# KiCad board Mynd_Main.kicad_pcb (continued)
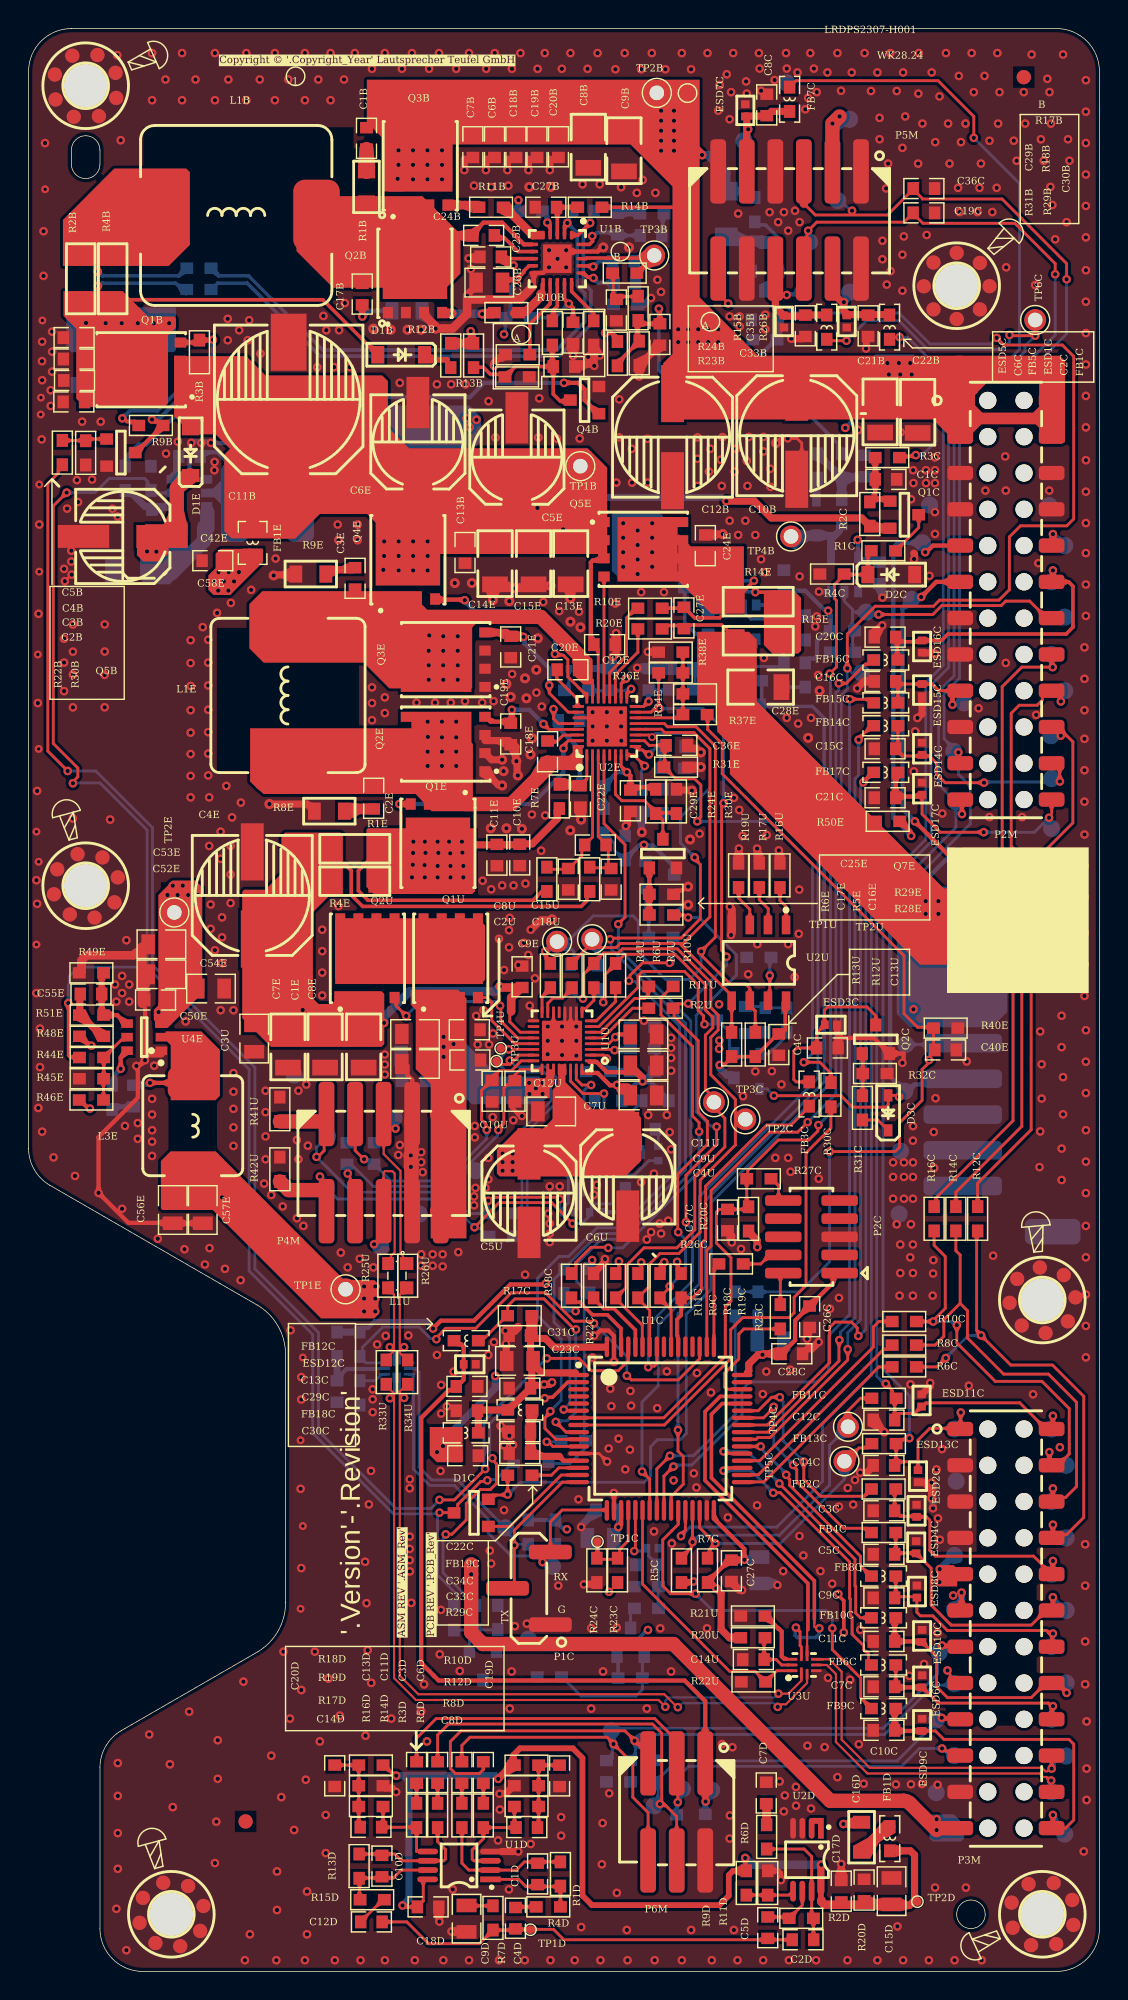
[diagram p0: board, top side]
## Routing (per net, layer and track width the routed paths; a pad name or vN(x,y) marks a point on that pad's centre or on a via; arc(x,y) is an arc through that point) (continued)
NetC19E_2: length 8.2
  Component Side w0.2: 38.5,86.95 38.2,86.95 38.19,86.94 36.45,86.94 v1(36.07,87.32)
  Component Side w0.3: Q2E.4 32.02,87.82 32.36,87.48 33.86,87.48 ; v1(33.85,88.31) 33.85,87.49 33.86,87.48 ; 33.86,87.48 33.97,87.37
  Solder Side w0.3: v1(36.07,87.32) 35.07,88.31 v1(33.85,88.31)
NetC19U_1: length 5.1
  Solder Side w0.2: 24.2,42.17 24.23,42.2 25,42.2
  Solder Side w0.3: 21.8,41.6 21.9,41.7 21.9,41.8 22.27,42.17 24.2,42.17
  Solder Side w0.5: 21.6,41.45 R28U.2
NetC20E_1: length 3.6
  Component Side w0.2: 38.45,88.55 38.45,89.06 36.99,90.52 36.99,91.08 ; 36.72,91.42 C20E.1
NetC21E_1: length 10.1
  Component Side w0.2: v1(36.47,90.03) 36.47,89.48 37.8,88.15 U2E.26
  Component Side w0.5: Q3E.4 33.45,93.73 33.72,93.46 C21E.1 33.79,93.44 34.65,93.44 v1(34.67,93.42)
  Solder Side w0.3: v1(34.67,93.42) 34.72,93.36 34.72,92.96 36.47,91.22 v1(36.47,90.03)
NetC22E_2: length 3.8
  Component Side w0.2: 38.68,83.05 39.1,83.48 U2E.1
  Component Side w0.5: 37.2,83.05 38.67,83.05
NetC23B_1: length 40
  Component Side w0.25: U1B.1 38.48,121.54 v1(39.33,122.39)
  Solder Side w0.25: 39.66,123.22 39.33,122.89 v1(39.33,122.39) 38.86,121.92 38.86,118.19 39.38,117.67 39.38,115.29 37.16,113.07 20.42,113.07 19.6,113.89 15.31,118.18 13.25,118.18 13.1,118.04 13.1,118.01 12.83,117.73 R5B.2
NetC23B_2: length 38.7
  Component Side w0.25: v1(37.73,122.39) 37.53,122.19 U1B.2
  Solder Side w0.25: C23B.2 37.83,122.94 37.83,122.58 37.73,122.49 v1(37.73,122.39) 38.43,121.7 38.43,118 38.95,117.47 38.95,115.47 36.98,113.5 20.6,113.5 20.44,113.66 15.42,118.68 13.33,118.68 13.1,118.91 13.1,118.96 12.83,119.23 R6B.2
NetC23E_1: length 4.2
  Solder Side w1: C23E.1 16.34,71 16.32,70.98 16.32,70.82 16.27,70.77 R2E.2 R3E.2
NetC24B_2: length 3.1
  Component Side w0.25: U1B.7 34.28,120.39 33.33,121.34 32.68,121.34
NetC24E_1: length 11.8
  Component Side w0.25: 44.65,95.15 44.38,95.43 45.83,95.43 C27E.1 46.65,94.75 48.4,94.75 48.88,95.22 48.88,96.03 ; v1(50.8,97.35) 50.8,97.33 49.5,96.03 R14E.2
  Solder Side w0.25: v1(50.8,97.35) 48.75,97.35 R11E.1
  vias: v1(41.64,101.37) v1(41.64,100.36) v1(41.64,99.34) v1(41.64,98.33) v1(42.66,100.87) v1(42.66,99.85) v1(42.66,98.83) v1(42.66,97.82) v1(43.68,101.37) v1(43.68,100.36) v1(43.68,99.34) v1(43.68,98.33)
NetC25B_1: length 11.5
  Component Side w0.25: 33.31,119.89 U1B.8
  Component Side w0.5: v1(33.97,119.42) 33.95,119.44 33.65,119.44 33.37,119.72 33.26,119.72 33.22,119.76 33.22,119.87 ; 31.19,114.04 31.14,114.04 31.02,114.17 31.02,114.74 30.97,114.79 v1(30.97,114.82) ; R12B.1 R13B.1
  Mid Layer 2 w0.5: v1(30.97,114.82) 30.97,116.52 33.85,119.4 33.95,119.4 v1(33.97,119.42)
NetC27B_1: length 3.4
  Component Side w0.25: R14B.2 37.03,123.49 U1B.3
NetC28B_1: length 3.6
  Component Side w0.25: 38.86,118.89 39.14,118.61 39.49,118.61 v1(39.56,118.54)
  Solder Side w0.25: C28B.1 39.91,118.19 v1(39.56,118.54) ; 41.03,117.02 41.03,118.19
NetC29B_1: length 3.3
  Component Side w0.2: 42.64,117.24 41.22,117.24 41.07,117.09 ; 40.95,118.58 40.95,117.26 C29B.1
NetC30B_1: length 26.2
  Component Side w0.25: 42.64,114.21 42.64,115.54 ; v1(44.14,116.39) 44.22,116.32 C30B.1 43.02,115.34 42.79,115.57 42.64,115.57 ; R29B.1 41.24,112.59 R31B.2
  Solder Side w0.25: v1(44.14,116.39) 44.14,112.09 46.72,109.52 54.12,109.52 56.74,106.9 56.74,106.45 R19B.2
NetC30E_1: length 8.9
  Component Side w0.2: v1(36.77,88.36) 36.77,87.69 37.11,87.35 U2E.28
  Solder Side w0.3: R19E.1 38.6,85.55 36.86,87.29 37.09,87.51 36.85,87.76 36.85,88.2 36.77,88.28 v1(36.77,88.36)
NetC31B_1: length 1.6
  Solder Side w0.25: 44.41,121.52 44.41,122.94 R28B.1
NetC31B_2: length 4.9
  Component Side w0.25: 38.86,120.89 39.28,120.89 39.5,121.11 39.5,121.45 v1(39.48,121.48)
  Solder Side w0.25: v1(39.48,121.48) 39.57,121.48 39.81,121.72 41.61,121.72 ; 41.26,121.52 42.81,121.52
NetC31E_2: length 66.7
  Component Side w0.2: 45,32.3 45,33.25 45.85,34.1 45.85,36.05 45.48,36.42 v1(45.48,37.9)
  Solder Side w0.2: v1(45.48,37.9) 45.48,46.03 47.4,47.95 47.4,53.95 55.72,62.27 55.72,64.59
  Solder Side w0.25: 51.35,88.75 51.35,88.73 51.53,88.55 54.9,88.55 55.72,87.73 55.72,64.59 ; 51.35,88.75 C31E.2 ; 51.35,88.75 R13E.1
NetC32E_2: length 76
  Component Side w0.2: 43.5,32.3 43.5,34.46 v1(42.97,34.99)
  Solder Side w0.2: R22E.1 52.65,91.35 50.9,91.35 50.57,91.02 50.57,88.08 55.28,83.38 55.28,62.53 47,54.25 47,48.15 44.1,45.25 44.1,41 42.97,39.87 v1(42.97,34.99) ; R25E.2 53.1,93.2 C32E.2 52.85,93.4 51.6,94.65 50.6,94.65 50.2,95.05 50.2,95.45 U1E.5
  Solder Side w0.25: R22E.1 C32E.2
NetC33B_1: length 10.8
  Component Side w0.25: Q4B.D 37.87,109.92 37.24,109.92 36.75,110.41 C33B.1 34.09,112.34 R23B.1 33.19,111.8 32.35,111.8 31.85,112.29 31.01,112.29 ; 36.68,112.76 R15B.1
NetC33C_1: length 6.7
  Component Side w0.3: 37.18,36.06 37.48,35.75 U1C.13
  Component Side w0.5: FB19C.1 35.21,39.25 35.21,37.83 C34C.1 35.16,36.21 35.31,36.06 37.18,36.06
NetC33E_2: length 3.3
  Component Side w0.2: U2E.16 43.08,88.55 v1(43.42,88.9)
  Solder Side w0.2: v1(43.42,88.9) 43.42,89.62 ; 43.45,89.65 44.95,89.65
NetC34E_2: length 3.8
  Component Side w0.2: v1(42.2,89.78) 41.9,89.48 U2E.17
  Solder Side w0.2: v1(42.2,89.78) 42.08,89.65 39.23,89.65
NetC35B_1: length 6.1
  Component Side w0.25: 38.13,115.54 38.13,116.44 v1(37.83,116.74) 37.53,117.04 U1B.14
  Solder Side w0.25: R25B.2 36.86,115.77 v1(37.83,116.74)
NetC35E_2: length 1.6
  Solder Side w0.2: 46.68,89.68 46.68,91.1 46.58,91.2
NetC36B_1: length 2.3
  Component Side w0.25: 38.86,119.39 39.49,119.39 v1(39.55,119.33)
  Solder Side w0.25: v1(39.55,119.33) 39.57,119.33 39.93,119.69 41.01,119.69
NetC36E_1: length 35.7
  Component Side w0.2: U2E.10 43.14,86.15 43.46,85.83 44.4,85.83 44.55,85.68 44.55,84.28 ; R31E.2 45.32,83.48 46.65,83.48 47.08,83.05 47.08,80.82 46.83,80.57 v1(46.83,80.51) ; v1(54.29,63.64) 55.42,63.64 56.19,62.87 R30C.1
  Solder Side w0.2: v1(54.29,63.64) 54.9,64.25 54.9,77.52 51.91,80.51 v1(46.83,80.51)
NetC37B_2: length 6.1
  Solder Side w0.5: 56.86,104.58 58.5,104.58 C37B.2 ; 56.86,104.58 56.95,104.5 56.95,102.83 56.95,102.83 ; 56.86,104.58 56.8,104.52 56.8,104.73 56.75,104.73 55.45,106.03 55.4,106.03 55.25,106.18 R37B.1 ; 58.22,104.62 58.27,104.66
NetC37E_1: length 4.8
  Component Side w0.2: v1(43.15,84.38) 42.39,85.15 U2E.8
  Solder Side w0.2: 42.93,82.8 44.45,82.8 ; v1(43.15,84.38) 43.15,84.28 42.93,84.05 42.93,82.75
NetC38E_1: length 3.8
  Component Side w0.2: v1(43.45,85.18) 43.31,85.18 42.98,85.51 42.74,85.51 U2E.9
  Solder Side w0.2: v1(43.45,85.18) 44.02,85.75 44.18,85.75 44.23,85.7 44.25,85.7 44.25,84.23 44.3,84.18
NetC39E_1: length 1.4
  Solder Side w0.2: R27E.2 37.53,89.67 37.83,89.97 37.83,90.96
NetC40E_2: length 64.1
  Component Side w0.2: 63.38,64.5 R40E.2 63.31,66.09 62.26,66.09 61.31,67.04 61.31,71.11 48.58,83.83 48.58,85.93 47.56,86.94 47.56,87.94 R37E.1 ; C40E.2 63.17,64.2 63.17,63.85 63.07,63.75 63.07,63.62 62.58,63.13 62.58,60.98 61,59.4 61,57.7 60.69,57.39 v1(56.1,57.39)
  Solder Side w0.2: 63.07,63.64 63.08,63.65 63.08,64.68 63.28,64.89 ; v1(56.1,57.39) 56.1,49.67 54,47.57 R35E.1 R39E.1 ; TP3M.1 63.28,64.89 ; 63.28,64.89 63.38,64.98 P1M.5
  vias: v1(63.07,63.8)
NetC41E_1: length 1.7
  Solder Side w0.5: 10.07,104.62 10.37,104.92 10.37,106.02 10.52,106.17
NetC41E_2: length 7.6
  Solder Side w0.3: 14.08,103.18 14.43,103.18 ; 14.08,103.18 14,103.26 ; 14.08,103.18 L2E.1 ; 14.08,103.18 13.93,103.18 ; 13.92,103.04 14.33,102.63 ; 12.45,103.47 13.87,103.47 13.88,103.48 13.88,105.71 13.24,106.34 11.93,106.34
NetC42E_1: length 14.9
  Component Side w1: 10.38,101.02 10.38,103.81 11.29,104.71 D1E.K ; v2(8.3,99.4) 8.32,99.38 v2(8.95,99.38) 8.57,99.76 8.57,100.42 8.87,100.72 9.32,100.72
  Solder Side w1: C44E.1 12.29,100.14 10.05,97.9 8.87,97.9 8.82,97.95 C43E.1 8.87,98.07 8.87,99.3 ; 12.52,102.17 12.52,101.02 12.38,100.88
NetC49E_1: length 5.8
  Solder Side w0.25: U1E.4 49.05,95.55 48.6,95.1 C49E.1 47.55,95.1 46.9,95.75 46.9,97.55 46,98.45 R11E.2
NetC49E_2: length 6.1
  Solder Side w0.25: R21E.1 45.95,94.4 46.75,93.6 C49E.2 48.8,93.6 49.05,93.35 U1E.3
NetC51E_1: length 8.9
  Component Side w0.3: v1(8.5,62.2) L3E.1 ; U4E.2 10.29,65.4 11.47,64.22 11.47,62.2
  Solder Side w0.3: C51E.1 7.38,62.06 8.28,62.06 8.42,62.2 v1(8.5,62.2)
NetC51E_2: length 1.7
  Solder Side w0.3: R47E.1 6.05,60.53 C51E.2 ; 7.07,60.45 7.17,60.45
NetC55E_1: length 3.4
  Component Side w0.5: 5.15,65.61 5.06,65.61 5.06,65.54 3.8,66.8 ; C55E.1 3.59,68.39 3.59,66.97 R51E.1
NetC55E_2: length 5.1
  Component Side w0.3: U4E.4 6.8,66.35 6.2,66.95 R51E.2 5.12,67.09 5.12,67.13 ; 5.12,67.13 5.26,67.13 ; 5.12,67.13 C55E.2 5.12,69.77 R49E.1
NetD1B_K: length 1.9
  Component Side w0.4: 27.54,113.14 27.86,112.82 29.32,112.82
NetD1U_K: length 2.6
  Solder Side w0.2: 53.2,65.65 53.2,65.6 51.82,64.23 D1U.K
NetD2B_A: length 5.5
  Solder Side w0.5: 53.32,99.98 53.38,99.98 ; 56.47,100.52 56.18,100.23 56.18,99 U2B.4 ; 56.47,100.52 56.77,100.82 56.77,100.87 ; 56.47,100.52 D2B.A 54.33,100.52 53.63,99.82
  Solder Side w1: TP4B.1 53.5,100.35
NetD2B_K: length 1.6
  Solder Side w0.5: D2B.K 55.17,102.97 55.17,104.56 55.17,104.57
NetD3C_K: length 2.1
  Component Side w0.2: D3C.K 59.48,59.6 R31C.1
NetFB1D_1: length 2.7
  Component Side w0.8: R20D.1 60.14,10.14 FB1D.1
NetL1B_1: length 8.8
  Component Side w0.25: 5.89,120.19 5.84,120.14 4.85,120.14 v1(4.85,118.98)
  Solder Side w0.25: v1(4.85,118.98) 4.87,118.98 5.17,118.68 10.52,118.68 10.75,118.91 10.75,118.96 11.03,119.23 R6B.1
NetP2C_2: length 2.2
  Component Side w0.2: R25C.2 52.65,48.86
NetP2C_4: length 3
  Component Side w0.2: 50.1,49.53 51.28,49.53 51.91,50.15 P2C.4
NetP2C_10: length 1.8
  Component Side w0.2: R27C.2 52.05,55.49 52.53,55.01 52.53,53.94
NetQ1B_4: length 13
  Component Side w0.25: R9B.1 7.44,108.49 6.89,108.49 6.66,108.72 v1(6.57,108.72) ; v1(12.92,114.22) 12.89,114.19 R3B.2 11.8,114.02 Q1B.4
  Solder Side w0.25: v1(12.92,114.22) 12.92,113.12 9.03,109.24 7.09,109.24 v1(6.57,108.72)
NetQ1C_D: length 3.2
  Component Side w0.2: Q1C.D 62.34,101.07 R1C.2
NetQ1E_4: length 16.4
  Component Side w0.2: v1(37.47,85.62) 37.54,85.69 37.54,85.89 37.8,86.15 U2E.31 38.67,86.15
  Component Side w0.3: v1(25.97,81.72) Q1E.4
  Solder Side w0.3: v1(25.97,81.72) 35.25,81.72 37.45,83.92 37.45,85.6 v1(37.47,85.62)
NetQ1U_4: length 6
  Component Side w0.2: Q1U.4 32.12,68.17 32.44,67.84 32.44,66.56 34.06,64.94 U1U.21
NetQ2B_4: length 3.7
  Component Side w0.6: v1(31.77,116.02) 32.52,116.02 R10B.2 ; v1(29.66,116.07) 29.02,116.07 Q2B.4
  Solder Side w0.25: v1(29.66,116.07) 29.69,116.04 ; 31.74,116.04 v1(31.77,116.02)
  Solder Side w0.6: 29.69,116.04 31.74,116.04
NetQ2C_G: length 2.9
  Component Side w0.2: Q2C.G 58.43,64.21 R32C.1 58.43,61.33
NetQ2U_4: length 12.6
  Component Side w0.2: Q2U.4 25.75,68.06 25.75,67.59 v1(26.45,66.88) ; U1U.20 34.26,65.34 33.08,66.52 33.08,67.54 v1(33.02,67.6)
  Solder Side w0.2: v1(33.02,67.6) 32.97,67.6 32.67,67.9 27.47,67.9 v1(26.45,66.88)
NetQ3B_4: length 2.2
  Component Side w0.6: Q3B.4 31.51,123.64
NetQ3C_D: length 1.5
  Solder Side w0.2: R21C.2 42.16,25.14 Q3C.D
NetQ3C_G: length 8.8
  Solder Side w0.2: Q3C.G 42.99,21.91 R36C.1 42.99,19.73 42.51,19.26 38.72,19.26 37.37,20.61 R37C.2 37.27,20.61
NetQ3U_G: length 2.9
  Solder Side w0.2: Q3U.G 51.5,67.55 R15U.1 R8U.2
NetQ4B_G: length 38.3
  Component Side w0.3: v1(8.65,108.63) 8.73,108.63 8.89,108.47 9.12,108.47 9.22,108.37 9.22,108.07 ; Q5B.D 7.52,106.32 9.12,107.92 9.12,107.97 9.37,108.22 R9B.2 ; v1(37.5,111.2) 38.49,111.2 38.94,110.74 38.94,109.99 39.97,108.97
  Solder Side w0.3: v1(8.65,108.63) 8.65,108.64 9.1,108.64 11.67,111.2 20.72,111.2 21.72,110.2 30.9,110.2 31.9,111.2 v1(37.5,111.2)
NetQ4C_D: length 3.9
  Solder Side w0.2: R37C.1 35.41,20.4 Q4C.D
NetQ4C_G: length 4.8
  Solder Side w0.2: R39C.2 32.85,23.91 R41C.1 ; R39C.2 31.3,23.9 R40C.2 ; R39C.2 31.32,23.86 30.87,23.42 Q4C.G
NetQ4E_4: length 15.2
  Component Side w0.2: U2E.24 39.1,89.29 37.77,90.63 37.77,91.82 37.44,92.14 36.94,92.14 v1(36.87,92.22)
  Component Side w0.3: v1(30.55,95.98) 30.51,96.03 28.51,96.03 Q4E.4
  Solder Side w0.3: v1(36.87,92.22) 36.87,93.77 35.42,95.22 31.24,95.22 30.55,95.9 v1(30.55,95.98)
NetQ4U_D: length 1.3
  Solder Side w0.2: R36U.1 44.1,58.75 Q4U.D
NetQ5B_G: length 3.2
  Component Side w0.2: 4.02,107.17 4.12,107.27 Q5B.G ; 4.02,107.17 R22B.2 ; 4.02,107.17 R30B.1
NetQ5E_4: length 8.5
  Component Side w0.2: U2E.21 Q5E.4
NetQ5U_D: length 1.4
  Solder Side w0.2: 39.3,58.85 40.4,58.85 40.6,59.05
NetQ6B_D: length 2.9
  Solder Side w0.6: Q6B.D 51.57,121.07 51.47,121.17 51.42,121.17 51.37,121.22 49.07,121.22 R32B.1
NetQ6B_G: length 6.3
  Solder Side w0.25: 52.64,119.14 52.64,121.22 51.61,122.25 51.08,122.25 R34B.1
  Solder Side w0.6: Q7B.D 51.57,117.67 52.64,118.74 52.64,119.14
NetQ6E_D: length 24
  Component Side w0.2: U2E.18 41.5,90.15 v1(41.85,90.5)
  Mid Layer 2 w0.2: v1(43.1,78.86) 44.76,80.52 44.76,89.98 44.23,90.5 v1(41.85,90.5)
  Solder Side w0.2: 40.3,79.7 41.03,78.98 41.03,78.48 41.7,77.8
  Solder Side w0.3: R16E.1 41.77,77.85 42.78,78.86 v1(43.1,78.86) 43.16,78.8 43.73,78.8 45.11,77.42 45.11,76.81 45.18,76.75
NetQ6E_G: length 3.5
  Solder Side w0.2: R18E.2 43.44,73.91 R23E.2 43.23,74.2 Q6E.G
NetQ6U_D: length 2.7
  Solder Side w0.3: Q6U.D 41.8,53.75 41.2,53.15 R40U.2
NetQ7B_G: length 3.7
  Solder Side w0.3: R35B.2 50.8,112.7 52.07,113.97 52.17,113.97 R36B.1
  Solder Side w0.6: R36B.1 52.47,114.27 52.47,115.57 Q7B.G
NetQ7E_D: length 9.6
  Component Side w0.2: 44,81.1 45.43,81.1 ; 44,81.1 43.15,81.95 41.55,81.95 41.1,82.4 U2E.6 ; 44,81.1 43.93,81.1 44.43,80.6 44.43,79.35
NetQ7E_G: length 3.3
  Component Side w0.3: R28E.2 Q7E.G
NetQ7U_D: length 1.3
  Solder Side w0.3: R39U.2 38.2,53.2 38.3,53.3 38.32,53.3 38.5,53.48 38.5,54.36
NetR2U_2: length 4.9
  Component Side w0.2: R2U.2 42.3,67.43 40.71,65.83 40.22,65.34 U1U.5
NetR3U_1: length 3.7
  Component Side w0.2: v1(40.5,63.9) 40.26,64.14 U1U.2
  Solder Side w0.2: v1(40.5,63.9) 40.5,63.25 R3U.1
  Solder Side w0.5: R3U.1 42.25,63
NetR4U_2: length 2
  Component Side w0.2: U1U.16 35.96,68.23 36.54,68.81 R4U.2
NetR6C_1: length 13.8
  Component Side w0.2: R6C.1 59.55,42.32 51.5,34.27 49.97,34.27
NetR6U_2: length 2.8
  Component Side w0.2: U1U.15 36.36,67.77 36.73,68.13 37.39,68.13 38.07,68.81 R6U.2
NetR7U_2: length 2.2
  Component Side w0.2: U1U.9 38.76,67.39 39.01,67.39 39.59,67.97 R7U.2
NetR8C_1: length 14.3
  Component Side w0.2: R8C.1 60.18,43.54 59.88,43.54 51.11,34.77 49.99,34.77 U1C.34
NetR9D_2: length 3.1
  Component Side w0.2: 50.52,5.34 R11D.2 53.27,5.34 U2D.5
NetR9U_2: length 4.4
  Component Side w0.2: U1U.3 41.04,64.54
  Solder Side w0.5: 42.25,66.1 42.25,64.6 42.14,64.49 v1(41.04,64.49)
NetR10B_1: length 3.3
  Component Side w0.3: 36,118.09 36,117.53 35.93,117.46
  Component Side w0.6: 35.93,117.46 35.87,117.4 35.87,117.22 34.82,116.17 34.11,116.17 34.01,116.07
NetR10C_1: length 15.4
  Component Side w0.2: R10C.1 59.55,45.49 59.17,45.11 59.17,43.72 51.2,35.75 U1C.36
NetR10E_1: length 7.2
  Component Side w0.2: U2E.20 40.7,90.93 41.88,92.11 41.88,94.76 42.68,95.55
NetR10U_2: length 3.3
  Component Side w0.2: R10U.2 41.1,68.84 41.1,67.88 39.76,66.54 U1U.8
NetR11B_1: length 3.2
  Component Side w0.6: 33.44,123.41 35.31,121.54 35.86,121.54
NetR11U_1: length 5.7
  Component Side w0.2: U1U.6 40.08,65.74 40.33,65.99 40.89,66.55 42.44,68.11 43.14,68.11 43.4,68.37 43.4,68.91 R11U.1
NetR12E_1: length 1.5
  Solder Side w0.25: R22E.2 R12E.1
NetR13E_2: length 3.4
  Solder Side w0.25: U1E.1 50.95,92.67 49.65,91.37 R13E.2
NetR14E_1: length 8.3
  Component Side w0.25: R15E.2 52.7,96.03 52.18,96.55 v1(50.9,96.55)
  Solder Side w0.25: v1(50.9,96.55) 50.87,96.58 47.93,96.58 R21E.2
NetR15B_2: length 2.8
  Component Side w0.25: R15B.2 36.76,115.62 36.76,116.29 37.03,116.57 U1B.13
NetR16U_1: length 2.8
  Component Side w0.2: U2U.1 53.05,74.54 52.63,74.96 R16U.1
NetR17B_2: length 6.8
  Component Side w0.25: 38.86,119.9 39.04,119.9 39.08,119.94 43.64,119.94 TP3B.1 43.82,120.05 42.65,118.88 R17B.2
NetR17U_1: length 2.9
  Component Side w0.2: 51.93,73.29 51.8,73.42 51.8,74.39 51.18,75.02 R17U.1
NetR18E_1: length 47.7
  Component Side w0.2: U1C.10 36.93,37.25 36.16,38.02 36.16,38.75 36.54,39.13 v1(36.54,39.21) ; v1(44.9,70.6) 43,70.6 42.12,69.72 42.12,69.42 v1(42.05,69.35)
  Solder Side w0.2: v1(42.05,69.35) 42.09,69.3 42.45,69.3 45.6,66.15 45.6,56.25 41.4,52.05 39.81,52.05 37.81,50.05 37.15,50.05 35.64,48.54 35.64,45.91 37.3,44.25 37.3,39.97 v1(36.54,39.21) ; 45.14,70.5 R18E.1
NetR18U_2: length 3.1
  Component Side w0.2: v1(51.91,69.71) 51.91,68.08 U2U.7
  Solder Side w0.2: v1(51.91,69.71) 51.91,71.02
NetR19U_1: length 3
  Component Side w0.2: 50.51,73.21 50.51,74.34 49.74,75.12 49.74,75.86 R19U.1
NetR20B_2: length 1.9
  Component Side w0.25: U1B.4 36.53,122.22 v1(36.33,122.42)
  Solder Side w0.25: v1(36.33,122.42) 36.33,122.94 36.06,123.22 R20B.2
NetR20E_2: length 5.5
  Component Side w0.2: 42.68,93.95 42.68,92.35 41.1,90.78 U2E.19
NetR21U_2: length 3.7
  Component Side w0.3: R21U.2 51.63,24.88 52.52,23.99 52.55,23.99 52.75,23.79 52.75,22.06 52.92,21.88 53.06,21.88
NetR22C_2: length 5
  Component Side w0.25: 42.5,43.7 42.5,44.9 41.01,46.4 40.6,46.4 40.6,46.4 40.28,46.4 39.58,47.1
NetR22U_2: length 18.7
  Component Side w0.2: 43,32.26 43,27.11 49.1,21.01 50.88,21.01 51.58,20.31 ; R22U.2 52.4,21.05 U3U.10
NetR24B_1: length 5.7
  Component Side w0.25: R24B.1 35.11,115.32 36.53,116.74 U1B.12
NetR26B_1: length 3.3
  Component Side w0.25: U1B.15 38.03,117.6 39.58,116.05 R26B.1
NetR28C_1: length 5.7
  Component Side w0.25: 41.49,43.71 41.49,45.01 40.53,45.97 39.49,45.97 39.06,46.4 39.05,46.4 38.83,46.62 38.83,46.63 38.6,46.85 38.3,46.85 38.03,47.12 R28C.1
NetR28E_1: length 40.6
  Component Side w0.2: 44,43.7 44,42.54 43.84,42.38 43.48,42.38 v1(43.4,42.3) ; R28E.1 45.91,73.95 46.09,73.78 v1(46.2,73.78) ; 48.19,59.13 48.19,57.88 46.04,55.73 v1(46.04,52.45)
  Solder Side w0.2: v1(43.4,42.3) 43.4,45.25 46.5,48.35 46.5,51.92 46.04,52.38 v1(46.04,52.45) ; v1(48.19,59.13) 48.15,59.17 47.78,59.17 46.76,60.19 46.76,66.92 49.57,69.73 49.57,71.16 46.95,73.78 v1(46.2,73.78)
NetR29C_1: length 3.5
  Component Side w0.2: R29C.1 36.62,34.73 37.13,35.25 38.55,35.25
NetR29U_2: length 33.3
  Component Side w0.2: U1C.51 47,42.9 45.51,41.41 42.22,41.41 41.92,41.7 v1(41.9,41.7) ; v1(28.56,44.26) 28.56,44.36 29.22,45.02 31.32,45.02 33.81,47.51 36.2,47.51 38.2,45.52 39.28,45.52 39.32,45.48 39.38,45.48 39.49,45.36 v1(39.6,45.36)
  Solder Side w0.2: 23.34,42.86 23.5,42.7 23.53,42.7 23.63,42.6 U4U.10 ; v1(39.6,45.36) 41.9,43.06 v1(41.9,41.7) ; 23.35,42.9 23.38,42.93 23.38,43.68 24.8,45.1 27.35,45.1 28.15,44.3 28.52,44.3 v1(28.56,44.26)
NetR30C_2: length 35
  Component Side w0.2: R30C.2 56.19,59.04 54.45,57.3 54.45,48.02 53.62,47.19 53.62,46.1 53.28,45.77 50.02,45.77 49.18,44.93 49.18,42.9 44.53,38.25 38.55,38.25
NetR30U_2: length 2
  Solder Side w0.2: R30U.2 24.28,41.35 24.73,41.8 25,41.8
NetR34E_2: length 7.9
  Component Side w0.2: 45.83,87.88 45.83,89.33 45.83,90.85 45.83,92.38 ; R37E.2 45.6,87.75 U2E.14
NetR35C_2: length 3.4
  Component Side w0.2: U1C.11 36.72,36.75 36.4,37.07 v1(36.29,37.07)
  Solder Side w0.2: v1(36.29,37.07) 37.22,37.07 R35C.2
NetR39E_2: length 16.8
  Component Side w0.2: 44,32.3 44,35.18 v1(44.92,36.1)
  Solder Side w0.2: v1(44.92,36.1) 46.56,36.1 46.88,36.42 46.9,36.42 47.07,36.59 47.08,36.59 49.5,39.01 R39E.2
NetR41E_1: length 3.8
  Solder Side w0.5: R41E.1 6.77,103.62 6.92,103.47 7.23,103.47 8.16,102.54 8.64,102.54 8.69,102.49 10.02,102.49 U3E.4
NetR44E_2: length 5.2
  Component Side w0.2: R46E.2 5.25,62.47 R45E.2 R44E.2 5.31,63.97 5.61,64.27 5.61,64.32 6.49,65.2 6.7,65.2 U4E.5
NetR47E_2: length 2.9
  Component Side w0.3: U4E.6 6.8,64.45 6.65,64.3 6.65,64.17 6.45,63.97 v1(6.45,63.18)
  Solder Side w0.3: v1(6.45,63.18) 6.02,62.75 6.02,62.2 R47E.2
NetU2D_1: length 1.2
  Component Side w0.3: 55.49,10.59 54.84,10.59 U2D.2
PD_IO_6: length 13.5
  Component Side w0.2: v1(39.4,62.05) 38.76,62.05 38.36,62.45 U1U.31
  Solder Side w0.2: v1(39.4,62.05) 39.29,62.05 39.13,61.88 39.12,61.88 38.9,61.67 38.9,60.15 39.21,59.84 41.11,59.84 41.6,59.35 41.6,58.1 41.25,57.75 41.15,57.75 40.85,57.45 ; Q6U.G 40.85,57.45 ; 40.85,57.45 40.15,58.15 38.01,58.15 37.89,58.03 37.89,57.59 Q7U.G
PD_IO_7: length 7.7
  Component Side w0.2: v1(40.3,61.45) 38.82,61.45 37.96,62.31 U1U.30
  Solder Side w0.2: Q4U.G 42.95,60.9 42.27,60.22 40.53,60.22 40.3,60.45 v1(40.3,61.45) ; 39.9,60.95 39.95,60.9
PD_SCL: length 48.3
  Component Side w0.2: R4U.1 36.24,70.86 36.24,71.34 v1(36.18,71.4) ; U2U.6 50.51,68.82 50.22,69.12 49.14,69.12 47.18,71.07 47.18,71.33 v1(47.1,71.4) 48.1,72.4 48.1,85.77 46.75,87.12 44.75,87.12 44.53,87.35 U2E.13 ; 50.31,67.8 50.89,67.22 R12U.1
  Solder Side w0.2: v1(36.18,71.4) 36.26,71.4 36.94,72.09 37.56,72.09 37.56,72.21 37.62,72.27 37.93,72.27 39.54,73.89 42.33,73.89 42.7,73.52 42.7,71.35 44.61,69.44 46.3,69.44 47.1,70.25 v1(47.1,71.4) ; 37.56,72.02 38.19,71.38 38.19,70.4
PD_SDA: length 38.2
  Component Side w0.2: U2E.12 43.23,86.95 43.23,86.96 44.32,86.96 44.55,86.73 46.59,86.73 47.72,85.6 47.72,73.82 45.86,71.96 45.59,71.96 ; R6U.1 38.07,70.61 39.13,71.67 41.15,71.67 41.44,71.96 45.59,71.96 ; 45.59,71.96 49.24,68.31 U2U.5 R13U.1
  Solder Side w0.2: R24U.2 39.97,70.56 39.97,72.25
SCL: length 128.1
  Component Side w0.2: P2M.23 65.37,81.91 v1(65.37,81.01) ; P5M.6 54.52,119.42 54.52,121.77 v1(54.6,121.85) 55.2,122.45 61.3,122.45 61.6,122.75 61.65,122.75 61.95,123.05 ; v1(60.04,41.14) 60.46,40.71 60.46,40.37 60.67,40.16 60.66,40.14 60.66,38.91 ; 61.95,123.05 62.63,122.37 69.08,122.37 71.9,119.55 v1(71.9,118.8) ; 61.95,123.05 C19C.1 ; v1(71.74,38.89) 71.74,38.06 P3M.2 71.25,37.97 69.42,39.8 62.82,39.8 62.57,39.54 62.52,39.54 62.34,39.37 62.34,39.34 62.06,39.06 60.81,39.06 60.66,38.91 ; 60.66,38.91 C12C.1
  Solder Side w0.2: 64.95,81.18 64.95,80.08 59.4,74.54 59.4,41.66 59.93,41.14 v1(60.04,41.14) ; 64.95,81.18 65.04,81.09 65.3,81.09 v1(65.37,81.01) ; 64.95,81.18 TP45M.1 63.74,83.08 63.74,89.61 64.82,90.69 64.82,110.71 66.24,112.13 69.48,112.13 71.9,114.55 v1(71.9,118.8) ; v1(71.74,38.89) 71.7,38.84 71.7,38.02 P3M.2 ; TP56M.1 54.65,121.1 54.65,121.8 v1(54.6,121.85)
SCL_2: length 22.8
  Component Side w0.2: 46.5,32.3 U1C.29 v1(46.5,30.05) 46.42,29.97 46.42,29.67 45.73,28.97 R5C.2 ; 58.77,39.83 FB11C.1 58.26,40.12 57.37,39.23 57.37,38.6 57.12,38.34
  Solder Side w0.2: 57.12,38.03 57.12,37.85 56.1,36.83 56.1,34.04 52.6,30.54 46.99,30.54 v1(46.5,30.05)